# KiCad board rcbus-ymf262-panel.kicad_pcb (continued)
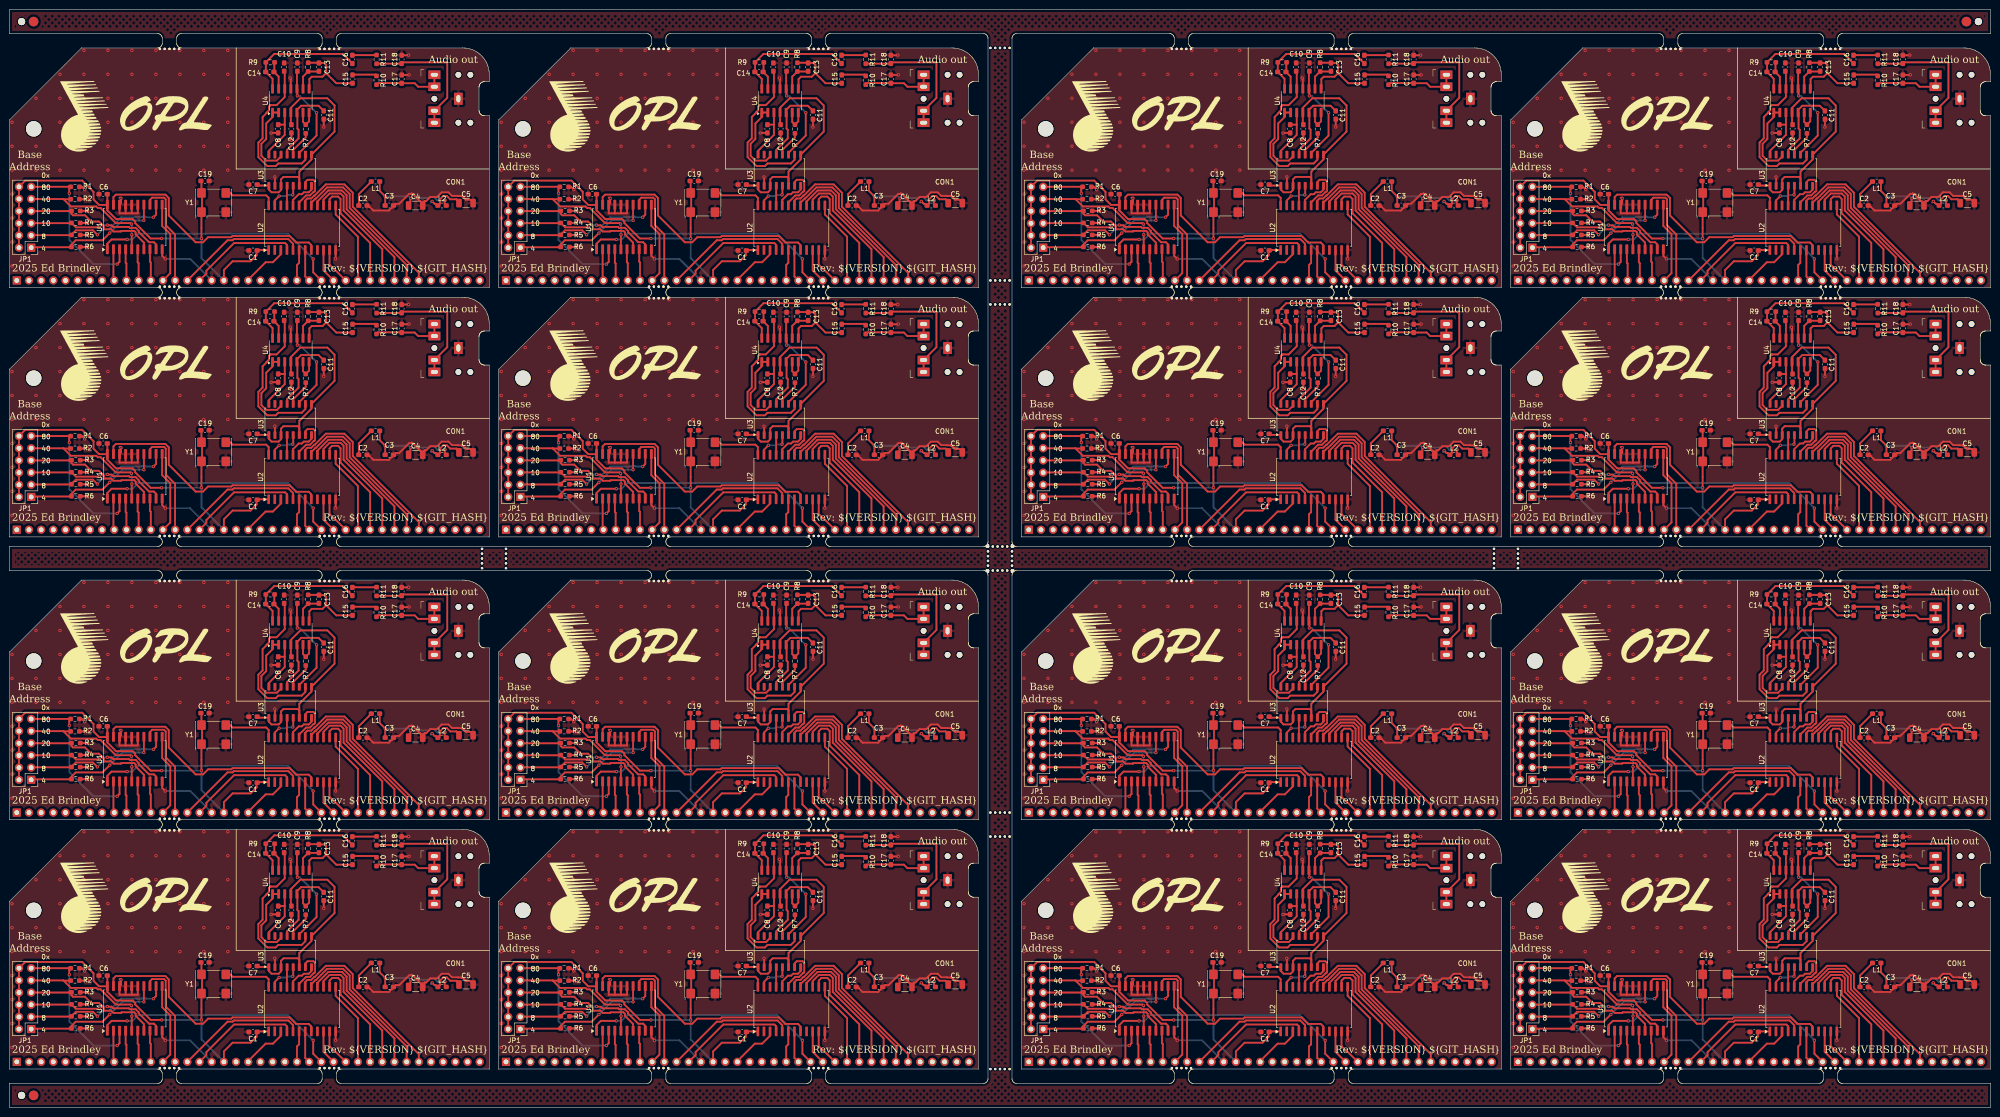
[diagram p0: board, top side]
## Nets (continued)
Board_7-unconnected-(P1-Pin_6-Pad6): P1#2.6
Board_7-unconnected-(P1-Pin_7-Pad7): P1#2.7
Board_7-unconnected-(P1-Pin_8-Pad8): P1#2.8
Board_7-unconnected-(P1-Pin_19-Pad19): P1#2.19
Board_7-unconnected-(P1-Pin_21-Pad21): P1#2.21
Board_7-unconnected-(P1-Pin_23-Pad23): P1#2.23
Board_7-unconnected-(P1-Pin_35-Pad35): P1#2.35
Board_7-unconnected-(P1-Pin_36-Pad36): P1#2.36
Board_7-unconnected-(P1-Pin_37-Pad37): P1#2.37
Board_7-unconnected-(P1-Pin_38-Pad38): P1#2.38
Board_7-unconnected-(P1-Pin_39-Pad39): P1#2.39
Board_7-unconnected-(U2-DOCD-Pad22): U2#6.22
Board_7-unconnected-(U2-TEST-Pad9): U2#6.9
Board_7-unconnected-(U2-~{IRQ}-Pad2): U2#6.2
Board_7-unconnected-(U3-TST2-Pad15): U3#10.15
Board_7-VCC: C1#11.1 C2#15.1 C6#15.1 C19.1 JP1#2.2 JP1#2.4 JP1#2.6 JP1#2.8 JP1#2.10 JP1#2.12 L1.2 P1#2.18 U1#12.20 U2#6.1 Y1#11.1 Y1#11.4
Board_8-+5VA: C5#13.1 C7#10.1 C12#4.1 L2#14.1 U3#14.1 U3#14.3 U3#14.6 U3#14.9 U4#2.4
Board_8-/A0: P1#10.16 U2#4.4
Board_8-/A1: P1#10.15 U2#4.5
Board_8-/A2: P1#10.14 U1#4.13
Board_8-/A3: P1#10.13 U1#4.11
Board_8-/A4: P1#10.12 U1#4.8
Board_8-/A5: P1#10.11 U1#4.6
Board_8-/A6: P1#10.10 U1#4.4
Board_8-/A7: P1#10.9 U1#4.2
Board_8-/AUDIO_CH1: C10#5.1 U3#14.10 U4#2.12
Board_8-/AUDIO_CH2: C9#13.1 U3#14.11 U4#2.10
Board_8-/CLK: U2#4.24 Y1#15.3
Board_8-/D0: P1#10.27 U2#4.10
Board_8-/D1: P1#10.28 U2#4.11
Board_8-/D2: P1#10.29 U2#4.13
Board_8-/D3: P1#10.30 U2#4.14
Board_8-/D4: P1#10.31 U2#4.15
Board_8-/D5: P1#10.32 U2#4.16
Board_8-/D6: P1#10.33 U2#4.17
Board_8-/D7: P1#10.34 U2#4.18
Board_8-/DAC_CLK: U2#4.23 U3#14.5
Board_8-/DOAB: U2#4.21 U3#14.4
Board_8-/L: C13#11.1 C15#12.1 R8#16.2 U4#2.8
Board_8-/R: C14#6.2 C16#5.1 R9#13.2 U4#2.14
Board_8-/SMPAC: U2#4.20 U3#14.8
Board_8-/SMPBD: U2#4.19 U3#14.7
Board_8-/~{CS}: U1#4.19 U2#4.8
Board_8-/~{INT}: P1#10.22
Board_8-/~{IORQ}: P1#10.26 U1#4.1
Board_8-/~{RD}: P1#10.25 U2#4.7
Board_8-/~{RESET}: P1#10.20 U2#4.3
Board_8-/~{WR}: P1#10.24 U2#4.6
Board_8-GND: C1#5.2 C2#9.2 C3#16.2 C4#2.2 C5#13.2 C6#7.2 C7#10.2 C8#8.2 C9#13.2 C10#5.2 C11#9.2 C12#4.2 C17#11.2 C18#4.2 C19#3.2 CON1#4.S P1#10.17 R1#3.2 R2#6.2 R3#11.2 R4#12.2 R5#15.2 R6#16.2 U1#4.10 U1#4.15 U1#4.16 U1#4.17 U1#4.18 U2#4.12 U3#14.2 U4#2.11 Y1#15.2
Board_8-Net-(C3-Pad1): C3#16.1 C4#2.1 L1#6.1 L2#14.2
Board_8-Net-(C15-Pad2): C15#12.2 R10#10.1
Board_8-Net-(C16-Pad2): C16#5.2 R11#16.1
Board_8-Net-(C17-Pad1): C17#11.1 CON1#4.T CON1#4.TN R10#10.2
Board_8-Net-(C18-Pad1): C18#4.1 CON1#4.R CON1#4.RN R11#16.2
Board_8-Net-(JP1-Pin_1): JP1.1 R6#16.1 U1#4.14
Board_8-Net-(JP1-Pin_3): JP1.3 R5#15.1 U1#4.12
Board_8-Net-(JP1-Pin_5): JP1.5 R4#12.1 U1#4.9
Board_8-Net-(JP1-Pin_7): JP1.7 R3#11.1 U1#4.7
Board_8-Net-(JP1-Pin_9): JP1.9 R2#6.1 U1#4.5
Board_8-Net-(JP1-Pin_11): JP1.11 R1#3.1 U1#4.3
Board_8-Net-(U3-AOUT): C11#9.1 U3#14.13 U4#2.5
Board_8-Net-(U3-CV): C8#8.1 U3#14.16 U4#2.3
Board_8-Net-(U3-MP): U3#14.14 U4#2.1 U4#2.2
Board_8-Net-(U3-SWIN): R7#2.1 U3#14.12
Board_8-Net-(U4B--): R7#2.2 U4#2.6 U4#2.7
Board_8-Net-(U4C--): C13#11.2 R8#16.1 U4#2.9
Board_8-Net-(U4D--): C14#6.1 R9#13.1 U4#2.13
Board_8-unconnected-(P1-Pin_1-Pad1): P1#10.1
Board_8-unconnected-(P1-Pin_2-Pad2): P1#10.2
Board_8-unconnected-(P1-Pin_3-Pad3): P1#10.3
Board_8-unconnected-(P1-Pin_4-Pad4): P1#10.4
Board_8-unconnected-(P1-Pin_5-Pad5): P1#10.5
Board_8-unconnected-(P1-Pin_6-Pad6): P1#10.6
Board_8-unconnected-(P1-Pin_7-Pad7): P1#10.7
Board_8-unconnected-(P1-Pin_8-Pad8): P1#10.8
Board_8-unconnected-(P1-Pin_19-Pad19): P1#10.19
Board_8-unconnected-(P1-Pin_21-Pad21): P1#10.21
Board_8-unconnected-(P1-Pin_23-Pad23): P1#10.23
Board_8-unconnected-(P1-Pin_35-Pad35): P1#10.35
Board_8-unconnected-(P1-Pin_36-Pad36): P1#10.36
Board_8-unconnected-(P1-Pin_37-Pad37): P1#10.37
Board_8-unconnected-(P1-Pin_38-Pad38): P1#10.38
Board_8-unconnected-(P1-Pin_39-Pad39): P1#10.39
Board_8-unconnected-(U2-DOCD-Pad22): U2#4.22
Board_8-unconnected-(U2-TEST-Pad9): U2#4.9
Board_8-unconnected-(U2-~{IRQ}-Pad2): U2#4.2
Board_8-unconnected-(U3-TST2-Pad15): U3#14.15
Board_8-VCC: C1#5.1 C2#9.1 C6#7.1 C19#3.1 JP1.2 JP1.4 JP1.6 JP1.8 JP1.10 JP1.12 L1#6.2 P1#10.18 U1#4.20 U2#4.1 Y1#15.1 Y1#15.4
Board_9-+5VA: C5#9.1 C7#9.1 C12#9.1 L2.1 U3#13.1 U3#13.3 U3#13.6 U3#13.9 U4#4.4
Board_9-/A0: P1#9.16 U2#8.4
Board_9-/A1: P1#9.15 U2#8.5
Board_9-/A2: P1#9.14 U1#15.13
Board_9-/A3: P1#9.13 U1#15.11
Board_9-/A4: P1#9.12 U1#15.8
Board_9-/A5: P1#9.11 U1#15.6
Board_9-/A6: P1#9.10 U1#15.4
Board_9-/A7: P1#9.9 U1#15.2
Board_9-/AUDIO_CH1: C10#9.1 U3#13.10 U4#4.12
Board_9-/AUDIO_CH2: C9#7.1 U3#13.11 U4#4.10
Board_9-/CLK: U2#8.24 Y1#5.3
Board_9-/D0: P1#9.27 U2#8.10
Board_9-/D1: P1#9.28 U2#8.11
Board_9-/D2: P1#9.29 U2#8.13
Board_9-/D3: P1#9.30 U2#8.14
Board_9-/D4: P1#9.31 U2#8.15
Board_9-/D5: P1#9.32 U2#8.16
Board_9-/D6: P1#9.33 U2#8.17
Board_9-/D7: P1#9.34 U2#8.18
Board_9-/DAC_CLK: U2#8.23 U3#13.5
Board_9-/DOAB: U2#8.21 U3#13.4
Board_9-/L: C13#8.1 C15#16.1 R8#9.2 U4#4.8
Board_9-/R: C14#3.2 C16#8.1 R9#11.2 U4#4.14
Board_9-/SMPAC: U2#8.20 U3#13.8
Board_9-/SMPBD: U2#8.19 U3#13.7
Board_9-/~{CS}: U1#15.19 U2#8.8
Board_9-/~{INT}: P1#9.22
Board_9-/~{IORQ}: P1#9.26 U1#15.1
Board_9-/~{RD}: P1#9.25 U2#8.7
Board_9-/~{RESET}: P1#9.20 U2#8.3
Board_9-/~{WR}: P1#9.24 U2#8.6
Board_9-GND: C1#10.2 C2#2.2 C3#12.2 C4#3.2 C5#9.2 C6#13.2 C7#9.2 C8#9.2 C9#7.2 C10#9.2 C11#14.2 C12#9.2 C17#12.2 C18#12.2 C19#11.2 CON1#2.S P1#9.17 R1#9.2 R2#11.2 R3#14.2 R4#9.2 R5#2.2 R6.2 U1#15.10 U1#15.15 U1#15.16 U1#15.17 U1#15.18 U2#8.12 U3#13.2 U4#4.11 Y1#5.2
Board_9-Net-(C3-Pad1): C3#12.1 C4#3.1 L1#7.1 L2.2
Board_9-Net-(C15-Pad2): C15#16.2 R10#12.1
Board_9-Net-(C16-Pad2): C16#8.2 R11#14.1
Board_9-Net-(C17-Pad1): C17#12.1 CON1#2.T CON1#2.TN R10#12.2
Board_9-Net-(C18-Pad1): C18#12.1 CON1#2.R CON1#2.RN R11#14.2
Board_9-Net-(JP1-Pin_1): JP1#6.1 R6.1 U1#15.14
Board_9-Net-(JP1-Pin_3): JP1#6.3 R5#2.1 U1#15.12
Board_9-Net-(JP1-Pin_5): JP1#6.5 R4#9.1 U1#15.9
Board_9-Net-(JP1-Pin_7): JP1#6.7 R3#14.1 U1#15.7
Board_9-Net-(JP1-Pin_9): JP1#6.9 R2#11.1 U1#15.5
Board_9-Net-(JP1-Pin_11): JP1#6.11 R1#9.1 U1#15.3
Board_9-Net-(U3-AOUT): C11#14.1 U3#13.13 U4#4.5
Board_9-Net-(U3-CV): C8#9.1 U3#13.16 U4#4.3
Board_9-Net-(U3-MP): U3#13.14 U4#4.1 U4#4.2
Board_9-Net-(U3-SWIN): R7#12.1 U3#13.12
Board_9-Net-(U4B--): R7#12.2 U4#4.6 U4#4.7
Board_9-Net-(U4C--): C13#8.2 R8#9.1 U4#4.9
Board_9-Net-(U4D--): C14#3.1 R9#11.1 U4#4.13
Board_9-unconnected-(P1-Pin_1-Pad1): P1#9.1
Board_9-unconnected-(P1-Pin_2-Pad2): P1#9.2
Board_9-unconnected-(P1-Pin_3-Pad3): P1#9.3
Board_9-unconnected-(P1-Pin_4-Pad4): P1#9.4
Board_9-unconnected-(P1-Pin_5-Pad5): P1#9.5
Board_9-unconnected-(P1-Pin_6-Pad6): P1#9.6
Board_9-unconnected-(P1-Pin_7-Pad7): P1#9.7
Board_9-unconnected-(P1-Pin_8-Pad8): P1#9.8
Board_9-unconnected-(P1-Pin_19-Pad19): P1#9.19
Board_9-unconnected-(P1-Pin_21-Pad21): P1#9.21
Board_9-unconnected-(P1-Pin_23-Pad23): P1#9.23
Board_9-unconnected-(P1-Pin_35-Pad35): P1#9.35
Board_9-unconnected-(P1-Pin_36-Pad36): P1#9.36
Board_9-unconnected-(P1-Pin_37-Pad37): P1#9.37
Board_9-unconnected-(P1-Pin_38-Pad38): P1#9.38
Board_9-unconnected-(P1-Pin_39-Pad39): P1#9.39
Board_9-unconnected-(U2-DOCD-Pad22): U2#8.22
Board_9-unconnected-(U2-TEST-Pad9): U2#8.9
Board_9-unconnected-(U2-~{IRQ}-Pad2): U2#8.2
Board_9-unconnected-(U3-TST2-Pad15): U3#13.15
Board_9-VCC: C1#10.1 C2#2.1 C6#13.1 C19#11.1 JP1#6.2 JP1#6.4 JP1#6.6 JP1#6.8 JP1#6.10 JP1#6.12 L1#7.2 P1#9.18 U1#15.20 U2#8.1 Y1#5.1 Y1#5.4
Board_10-+5VA: C5#4.1 C7#15.1 C12#13.1 L2#16.1 U3.1 U3.3 U3.6 U3.9 U4#3.4
Board_10-/A0: P1#14.16 U2#13.4
Board_10-/A1: P1#14.15 U2#13.5
Board_10-/A2: P1#14.14 U1#9.13
Board_10-/A3: P1#14.13 U1#9.11
Board_10-/A4: P1#14.12 U1#9.8
Board_10-/A5: P1#14.11 U1#9.6
Board_10-/A6: P1#14.10 U1#9.4
Board_10-/A7: P1#14.9 U1#9.2
Board_10-/AUDIO_CH1: C10.1 U3.10 U4#3.12
Board_10-/AUDIO_CH2: C9.1 U3.11 U4#3.10
Board_10-/CLK: U2#13.24 Y1#16.3
Board_10-/D0: P1#14.27 U2#13.10
Board_10-/D1: P1#14.28 U2#13.11
Board_10-/D2: P1#14.29 U2#13.13
Board_10-/D3: P1#14.30 U2#13.14
Board_10-/D4: P1#14.31 U2#13.15
Board_10-/D5: P1#14.32 U2#13.16
Board_10-/D6: P1#14.33 U2#13.17
Board_10-/D7: P1#14.34 U2#13.18
Board_10-/DAC_CLK: U2#13.23 U3.5
Board_10-/DOAB: U2#13.21 U3.4
Board_10-/L: C13#6.1 C15#5.1 R8#12.2 U4#3.8
Board_10-/R: C14#7.2 C16#3.1 R9#6.2 U4#3.14
Board_10-/SMPAC: U2#13.20 U3.8
Board_10-/SMPBD: U2#13.19 U3.7
Board_10-/~{CS}: U1#9.19 U2#13.8
Board_10-/~{INT}: P1#14.22
Board_10-/~{IORQ}: P1#14.26 U1#9.1
Board_10-/~{RD}: P1#14.25 U2#13.7
Board_10-/~{RESET}: P1#14.20 U2#13.3
Board_10-/~{WR}: P1#14.24 U2#13.6
Board_10-GND: C1#14.2 C2.2 C3#6.2 C4#12.2 C5#4.2 C6#3.2 C7#15.2 C8#16.2 C9.2 C10.2 C11#3.2 C12#13.2 C17#10.2 C18#14.2 C19#14.2 CON1#7.S P1#14.17 R1#14.2 R2.2 R3#16.2 R4#6.2 R5#13.2 R6#14.2 U1#9.10 U1#9.15 U1#9.16 U1#9.17 U1#9.18 U2#13.12 U3.2 U4#3.11 Y1#16.2
Board_10-Net-(C3-Pad1): C3#6.1 C4#12.1 L1#16.1 L2#16.2
Board_10-Net-(C15-Pad2): C15#5.2 R10#9.1
Board_10-Net-(C16-Pad2): C16#3.2 R11#12.1
Board_10-Net-(C17-Pad1): C17#10.1 CON1#7.T CON1#7.TN R10#9.2
Board_10-Net-(C18-Pad1): C18#14.1 CON1#7.R CON1#7.RN R11#12.2
Board_10-Net-(JP1-Pin_1): JP1#8.1 R6#14.1 U1#9.14
Board_10-Net-(JP1-Pin_3): JP1#8.3 R5#13.1 U1#9.12
Board_10-Net-(JP1-Pin_5): JP1#8.5 R4#6.1 U1#9.9
Board_10-Net-(JP1-Pin_7): JP1#8.7 R3#16.1 U1#9.7
Board_10-Net-(JP1-Pin_9): JP1#8.9 R2.1 U1#9.5
Board_10-Net-(JP1-Pin_11): JP1#8.11 R1#14.1 U1#9.3
Board_10-Net-(U3-AOUT): C11#3.1 U3.13 U4#3.5
Board_10-Net-(U3-CV): C8#16.1 U3.16 U4#3.3
Board_10-Net-(U3-MP): U3.14 U4#3.1 U4#3.2
Board_10-Net-(U3-SWIN): R7.1 U3.12
Board_10-Net-(U4B--): R7.2 U4#3.6 U4#3.7
Board_10-Net-(U4C--): C13#6.2 R8#12.1 U4#3.9
Board_10-Net-(U4D--): C14#7.1 R9#6.1 U4#3.13
Board_10-unconnected-(P1-Pin_1-Pad1): P1#14.1
Board_10-unconnected-(P1-Pin_2-Pad2): P1#14.2
Board_10-unconnected-(P1-Pin_3-Pad3): P1#14.3
Board_10-unconnected-(P1-Pin_4-Pad4): P1#14.4
Board_10-unconnected-(P1-Pin_5-Pad5): P1#14.5
Board_10-unconnected-(P1-Pin_6-Pad6): P1#14.6
Board_10-unconnected-(P1-Pin_7-Pad7): P1#14.7
Board_10-unconnected-(P1-Pin_8-Pad8): P1#14.8
Board_10-unconnected-(P1-Pin_19-Pad19): P1#14.19
Board_10-unconnected-(P1-Pin_21-Pad21): P1#14.21
Board_10-unconnected-(P1-Pin_23-Pad23): P1#14.23
Board_10-unconnected-(P1-Pin_35-Pad35): P1#14.35
Board_10-unconnected-(P1-Pin_36-Pad36): P1#14.36
Board_10-unconnected-(P1-Pin_37-Pad37): P1#14.37
Board_10-unconnected-(P1-Pin_38-Pad38): P1#14.38
Board_10-unconnected-(P1-Pin_39-Pad39): P1#14.39
Board_10-unconnected-(U2-DOCD-Pad22): U2#13.22
Board_10-unconnected-(U2-TEST-Pad9): U2#13.9
Board_10-unconnected-(U2-~{IRQ}-Pad2): U2#13.2
Board_10-unconnected-(U3-TST2-Pad15): U3.15
Board_10-VCC: C1#14.1 C2.1 C6#3.1 C19#14.1 JP1#8.2 JP1#8.4 JP1#8.6 JP1#8.8 JP1#8.10 JP1#8.12 L1#16.2 P1#14.18 U1#9.20 U2#13.1 Y1#16.1 Y1#16.4
Board_11-+5VA: C5#16.1 C7#4.1 C12#7.1 L2#9.1 U3#11.1 U3#11.3 U3#11.6 U3#11.9 U4#7.4
Board_11-/A0: P1#11.16 U2#3.4
Board_11-/A1: P1#11.15 U2#3.5
Board_11-/A2: P1#11.14 U1#16.13
Board_11-/A3: P1#11.13 U1#16.11
Board_11-/A4: P1#11.12 U1#16.8
Board_11-/A5: P1#11.11 U1#16.6
Board_11-/A6: P1#11.10 U1#16.4
Board_11-/A7: P1#11.9 U1#16.2
Board_11-/AUDIO_CH1: C10#2.1 U3#11.10 U4#7.12
Board_11-/AUDIO_CH2: C9#2.1 U3#11.11 U4#7.10
Board_11-/CLK: U2#3.24 Y1#4.3
Board_11-/D0: P1#11.27 U2#3.10
Board_11-/D1: P1#11.28 U2#3.11
Board_11-/D2: P1#11.29 U2#3.13
Board_11-/D3: P1#11.30 U2#3.14
Board_11-/D4: P1#11.31 U2#3.15
Board_11-/D5: P1#11.32 U2#3.16
Board_11-/D6: P1#11.33 U2#3.17
Board_11-/D7: P1#11.34 U2#3.18
Board_11-/DAC_CLK: U2#3.23 U3#11.5
Board_11-/DOAB: U2#3.21 U3#11.4
Board_11-/L: C13#5.1 C15#10.1 R8#3.2 U4#7.8
Board_11-/R: C14#5.2 C16#6.1 R9#15.2 U4#7.14
Board_11-/SMPAC: U2#3.20 U3#11.8
Board_11-/SMPBD: U2#3.19 U3#11.7
Board_11-/~{CS}: U1#16.19 U2#3.8
Board_11-/~{INT}: P1#11.22
Board_11-/~{IORQ}: P1#11.26 U1#16.1
Board_11-/~{RD}: P1#11.25 U2#3.7
Board_11-/~{RESET}: P1#11.20 U2#3.3
Board_11-/~{WR}: P1#11.24 U2#3.6
Board_11-GND: C1#3.2 C2#12.2 C3#8.2 C4#14.2 C5#16.2 C6#10.2 C7#4.2 C8#3.2 C9#2.2 C10#2.2 C11#16.2 C12#7.2 C17#16.2 C18#7.2 C19#15.2 CON1#13.S P1#11.17 R1#2.2 R2#5.2 R3#7.2 R4#15.2 R5#8.2 R6#11.2 U1#16.10 U1#16.15 U1#16.16 U1#16.17 U1#16.18 U2#3.12 U3#11.2 U4#7.11 Y1#4.2
Board_11-Net-(C3-Pad1): C3#8.1 C4#14.1 L1#4.1 L2#9.2
Board_11-Net-(C15-Pad2): C15#10.2 R10#15.1
Board_11-Net-(C16-Pad2): C16#6.2 R11#8.1
Board_11-Net-(C17-Pad1): C17#16.1 CON1#13.T CON1#13.TN R10#15.2
Board_11-Net-(C18-Pad1): C18#7.1 CON1#13.R CON1#13.RN R11#8.2
Board_11-Net-(JP1-Pin_1): JP1#14.1 R6#11.1 U1#16.14
Board_11-Net-(JP1-Pin_3): JP1#14.3 R5#8.1 U1#16.12
Board_11-Net-(JP1-Pin_5): JP1#14.5 R4#15.1 U1#16.9
Board_11-Net-(JP1-Pin_7): JP1#14.7 R3#7.1 U1#16.7
Board_11-Net-(JP1-Pin_9): JP1#14.9 R2#5.1 U1#16.5
Board_11-Net-(JP1-Pin_11): JP1#14.11 R1#2.1 U1#16.3
Board_11-Net-(U3-AOUT): C11#16.1 U3#11.13 U4#7.5
Board_11-Net-(U3-CV): C8#3.1 U3#11.16 U4#7.3
Board_11-Net-(U3-MP): U3#11.14 U4#7.1 U4#7.2
Board_11-Net-(U3-SWIN): R7#11.1 U3#11.12
Board_11-Net-(U4B--): R7#11.2 U4#7.6 U4#7.7
Board_11-Net-(U4C--): C13#5.2 R8#3.1 U4#7.9
Board_11-Net-(U4D--): C14#5.1 R9#15.1 U4#7.13
Board_11-unconnected-(P1-Pin_1-Pad1): P1#11.1
Board_11-unconnected-(P1-Pin_2-Pad2): P1#11.2
Board_11-unconnected-(P1-Pin_3-Pad3): P1#11.3
Board_11-unconnected-(P1-Pin_4-Pad4): P1#11.4
Board_11-unconnected-(P1-Pin_5-Pad5): P1#11.5
Board_11-unconnected-(P1-Pin_6-Pad6): P1#11.6
Board_11-unconnected-(P1-Pin_7-Pad7): P1#11.7
Board_11-unconnected-(P1-Pin_8-Pad8): P1#11.8
Board_11-unconnected-(P1-Pin_19-Pad19): P1#11.19
Board_11-unconnected-(P1-Pin_21-Pad21): P1#11.21
Board_11-unconnected-(P1-Pin_23-Pad23): P1#11.23
Board_11-unconnected-(P1-Pin_35-Pad35): P1#11.35
Board_11-unconnected-(P1-Pin_36-Pad36): P1#11.36
Board_11-unconnected-(P1-Pin_37-Pad37): P1#11.37
Board_11-unconnected-(P1-Pin_38-Pad38): P1#11.38
Board_11-unconnected-(P1-Pin_39-Pad39): P1#11.39
Board_11-unconnected-(U2-DOCD-Pad22): U2#3.22
Board_11-unconnected-(U2-TEST-Pad9): U2#3.9
Board_11-unconnected-(U2-~{IRQ}-Pad2): U2#3.2
Board_11-unconnected-(U3-TST2-Pad15): U3#11.15
Board_11-VCC: C1#3.1 C2#12.1 C6#10.1 C19#15.1 JP1#14.2 JP1#14.4 JP1#14.6 JP1#14.8 JP1#14.10 JP1#14.12 L1#4.2 P1#11.18 U1#16.20 U2#3.1 Y1#4.1 Y1#4.4
Board_12-+5VA: C5#10.1 C7#2.1 C12#6.1 L2#13.1 U3#9.1 U3#9.3 U3#9.6 U3#9.9 U4#16.4
Board_12-/A0: P1#15.16 U2#10.4
Board_12-/A1: P1#15.15 U2#10.5
Board_12-/A2: P1#15.14 U1#8.13
Board_12-/A3: P1#15.13 U1#8.11
Board_12-/A4: P1#15.12 U1#8.8
Board_12-/A5: P1#15.11 U1#8.6
Board_12-/A6: P1#15.10 U1#8.4
Board_12-/A7: P1#15.9 U1#8.2
Board_12-/AUDIO_CH1: C10#4.1 U3#9.10 U4#16.12
Board_12-/AUDIO_CH2: C9#4.1 U3#9.11 U4#16.10
Board_12-/CLK: U2#10.24 Y1#10.3
Board_12-/D0: P1#15.27 U2#10.10
Board_12-/D1: P1#15.28 U2#10.11
Board_12-/D2: P1#15.29 U2#10.13
Board_12-/D3: P1#15.30 U2#10.14
Board_12-/D4: P1#15.31 U2#10.15
Board_12-/D5: P1#15.32 U2#10.16
Board_12-/D6: P1#15.33 U2#10.17
Board_12-/D7: P1#15.34 U2#10.18
Board_12-/DAC_CLK: U2#10.23 U3#9.5
Board_12-/DOAB: U2#10.21 U3#9.4
Board_12-/L: C13#16.1 C15#15.1 R8#11.2 U4#16.8
Board_12-/R: C14#10.2 C16#12.1 R9#5.2 U4#16.14
Board_12-/SMPAC: U2#10.20 U3#9.8
Board_12-/SMPBD: U2#10.19 U3#9.7
Board_12-/~{CS}: U1#8.19 U2#10.8
Board_12-/~{INT}: P1#15.22
Board_12-/~{IORQ}: P1#15.26 U1#8.1
Board_12-/~{RD}: P1#15.25 U2#10.7
Board_12-/~{RESET}: P1#15.20 U2#10.3
Board_12-/~{WR}: P1#15.24 U2#10.6
Board_12-GND: C1#12.2 C2#14.2 C3.2 C4#10.2 C5#10.2 C6#9.2 C7#2.2 C8#4.2 C9#4.2 C10#4.2 C11#5.2 C12#6.2 C17#4.2 C18#5.2 C19#4.2 CON1#10.S P1#15.17 R1#7.2 R2#16.2 R3#3.2 R4#13.2 R5#12.2 R6#7.2 U1#8.10 U1#8.15 U1#8.16 U1#8.17 U1#8.18 U2#10.12 U3#9.2 U4#16.11 Y1#10.2
Board_12-Net-(C3-Pad1): C3.1 C4#10.1 L1#11.1 L2#13.2
Board_12-Net-(C15-Pad2): C15#15.2 R10#8.1
Board_12-Net-(C16-Pad2): C16#12.2 R11.1
Board_12-Net-(C17-Pad1): C17#4.1 CON1#10.T CON1#10.TN R10#8.2
Board_12-Net-(C18-Pad1): C18#5.1 CON1#10.R CON1#10.RN R11.2
Board_12-Net-(JP1-Pin_1): JP1#3.1 R6#7.1 U1#8.14
Board_12-Net-(JP1-Pin_3): JP1#3.3 R5#12.1 U1#8.12
Board_12-Net-(JP1-Pin_5): JP1#3.5 R4#13.1 U1#8.9
Board_12-Net-(JP1-Pin_7): JP1#3.7 R3#3.1 U1#8.7
Board_12-Net-(JP1-Pin_9): JP1#3.9 R2#16.1 U1#8.5
Board_12-Net-(JP1-Pin_11): JP1#3.11 R1#7.1 U1#8.3
Board_12-Net-(U3-AOUT): C11#5.1 U3#9.13 U4#16.5
Board_12-Net-(U3-CV): C8#4.1 U3#9.16 U4#16.3
Board_12-Net-(U3-MP): U3#9.14 U4#16.1 U4#16.2
Board_12-Net-(U3-SWIN): R7#3.1 U3#9.12
Board_12-Net-(U4B--): R7#3.2 U4#16.6 U4#16.7
Board_12-Net-(U4C--): C13#16.2 R8#11.1 U4#16.9
Board_12-Net-(U4D--): C14#10.1 R9#5.1 U4#16.13
Board_12-unconnected-(P1-Pin_1-Pad1): P1#15.1
Board_12-unconnected-(P1-Pin_2-Pad2): P1#15.2
Board_12-unconnected-(P1-Pin_3-Pad3): P1#15.3
Board_12-unconnected-(P1-Pin_4-Pad4): P1#15.4
Board_12-unconnected-(P1-Pin_5-Pad5): P1#15.5
Board_12-unconnected-(P1-Pin_6-Pad6): P1#15.6
Board_12-unconnected-(P1-Pin_7-Pad7): P1#15.7
Board_12-unconnected-(P1-Pin_8-Pad8): P1#15.8
Board_12-unconnected-(P1-Pin_19-Pad19): P1#15.19
Board_12-unconnected-(P1-Pin_21-Pad21): P1#15.21
Board_12-unconnected-(P1-Pin_23-Pad23): P1#15.23
Board_12-unconnected-(P1-Pin_35-Pad35): P1#15.35
Board_12-unconnected-(P1-Pin_36-Pad36): P1#15.36
Board_12-unconnected-(P1-Pin_37-Pad37): P1#15.37
Board_12-unconnected-(P1-Pin_38-Pad38): P1#15.38
Board_12-unconnected-(P1-Pin_39-Pad39): P1#15.39
Board_12-unconnected-(U2-DOCD-Pad22): U2#10.22
Board_12-unconnected-(U2-TEST-Pad9): U2#10.9
Board_12-unconnected-(U2-~{IRQ}-Pad2): U2#10.2
Board_12-unconnected-(U3-TST2-Pad15): U3#9.15
Board_12-VCC: C1#12.1 C2#14.1 C6#9.1 C19#4.1 JP1#3.2 JP1#3.4 JP1#3.6 JP1#3.8 JP1#3.10 JP1#3.12 L1#11.2 P1#15.18 U1#8.20 U2#10.1 Y1#10.1 Y1#10.4
Board_13-+5VA: C5#11.1 C7#8.1 C12#15.1 L2#2.1 U3#8.1 U3#8.3 U3#8.6 U3#8.9 U4#8.4
Board_13-/A0: P1#8.16 U2#2.4
Board_13-/A1: P1#8.15 U2#2.5
Board_13-/A2: P1#8.14 U1#11.13
Board_13-/A3: P1#8.13 U1#11.11
Board_13-/A4: P1#8.12 U1#11.8
Board_13-/A5: P1#8.11 U1#11.6
Board_13-/A6: P1#8.10 U1#11.4
Board_13-/A7: P1#8.9 U1#11.2
Board_13-/AUDIO_CH1: C10#13.1 U3#8.10 U4#8.12
Board_13-/AUDIO_CH2: C9#10.1 U3#8.11 U4#8.10
Board_13-/CLK: U2#2.24 Y1#8.3
Board_13-/D0: P1#8.27 U2#2.10
Board_13-/D1: P1#8.28 U2#2.11
Board_13-/D2: P1#8.29 U2#2.13
Board_13-/D3: P1#8.30 U2#2.14
Board_13-/D4: P1#8.31 U2#2.15
Board_13-/D5: P1#8.32 U2#2.16
Board_13-/D6: P1#8.33 U2#2.17
Board_13-/D7: P1#8.34 U2#2.18
Board_13-/DAC_CLK: U2#2.23 U3#8.5
Board_13-/DOAB: U2#2.21 U3#8.4
Board_13-/L: C13#15.1 C15#4.1 R8#6.2 U4#8.8
Board_13-/R: C14#16.2 C16#2.1 R9#9.2 U4#8.14
Board_13-/SMPAC: U2#2.20 U3#8.8
Board_13-/SMPBD: U2#2.19 U3#8.7
Board_13-/~{CS}: U1#11.19 U2#2.8
Board_13-/~{INT}: P1#8.22
Board_13-/~{IORQ}: P1#8.26 U1#11.1
Board_13-/~{RD}: P1#8.25 U2#2.7
Board_13-/~{RESET}: P1#8.20 U2#2.3
Board_13-/~{WR}: P1#8.24 U2#2.6
Board_13-GND: C1#8.2 C2#11.2 C3#4.2 C4#13.2 C5#11.2 C6#12.2 C7#8.2 C8#13.2 C9#10.2 C10#13.2 C11#11.2 C12#15.2 C17#3.2 C18#16.2 C19#5.2 CON1#9.S P1#8.17 R1#10.2 R2#12.2 R3#9.2 R4#11.2 R5#7.2 R6#15.2 U1#11.10 U1#11.15 U1#11.16 U1#11.17 U1#11.18 U2#2.12 U3#8.2 U4#8.11 Y1#8.2
Board_13-Net-(C3-Pad1): C3#4.1 C4#13.1 L1#13.1 L2#2.2
Board_13-Net-(C15-Pad2): C15#4.2 R10#7.1
Board_13-Net-(C16-Pad2): C16#2.2 R11#15.1
Board_13-Net-(C17-Pad1): C17#3.1 CON1#9.T CON1#9.TN R10#7.2
Board_13-Net-(C18-Pad1): C18#16.1 CON1#9.R CON1#9.RN R11#15.2
Board_13-Net-(JP1-Pin_1): JP1#12.1 R6#15.1 U1#11.14
Board_13-Net-(JP1-Pin_3): JP1#12.3 R5#7.1 U1#11.12
Board_13-Net-(JP1-Pin_5): JP1#12.5 R4#11.1 U1#11.9
Board_13-Net-(JP1-Pin_7): JP1#12.7 R3#9.1 U1#11.7
Board_13-Net-(JP1-Pin_9): JP1#12.9 R2#12.1 U1#11.5
Board_13-Net-(JP1-Pin_11): JP1#12.11 R1#10.1 U1#11.3
Board_13-Net-(U3-AOUT): C11#11.1 U3#8.13 U4#8.5
Board_13-Net-(U3-CV): C8#13.1 U3#8.16 U4#8.3
Board_13-Net-(U3-MP): U3#8.14 U4#8.1 U4#8.2
Board_13-Net-(U3-SWIN): R7#10.1 U3#8.12
Board_13-Net-(U4B--): R7#10.2 U4#8.6 U4#8.7
Board_13-Net-(U4C--): C13#15.2 R8#6.1 U4#8.9
Board_13-Net-(U4D--): C14#16.1 R9#9.1 U4#8.13
Board_13-unconnected-(P1-Pin_1-Pad1): P1#8.1
Board_13-unconnected-(P1-Pin_2-Pad2): P1#8.2
Board_13-unconnected-(P1-Pin_3-Pad3): P1#8.3
Board_13-unconnected-(P1-Pin_4-Pad4): P1#8.4
Board_13-unconnected-(P1-Pin_5-Pad5): P1#8.5
Board_13-unconnected-(P1-Pin_6-Pad6): P1#8.6
Board_13-unconnected-(P1-Pin_7-Pad7): P1#8.7
Board_13-unconnected-(P1-Pin_8-Pad8): P1#8.8
Board_13-unconnected-(P1-Pin_19-Pad19): P1#8.19
Board_13-unconnected-(P1-Pin_21-Pad21): P1#8.21
Board_13-unconnected-(P1-Pin_23-Pad23): P1#8.23
Board_13-unconnected-(P1-Pin_35-Pad35): P1#8.35
Board_13-unconnected-(P1-Pin_36-Pad36): P1#8.36
Board_13-unconnected-(P1-Pin_37-Pad37): P1#8.37
Board_13-unconnected-(P1-Pin_38-Pad38): P1#8.38
Board_13-unconnected-(P1-Pin_39-Pad39): P1#8.39
Board_13-unconnected-(U2-DOCD-Pad22): U2#2.22
Board_13-unconnected-(U2-TEST-Pad9): U2#2.9
Board_13-unconnected-(U2-~{IRQ}-Pad2): U2#2.2
Board_13-unconnected-(U3-TST2-Pad15): U3#8.15
Board_13-VCC: C1#8.1 C2#11.1 C6#12.1 C19#5.1 JP1#12.2 JP1#12.4 JP1#12.6 JP1#12.8 JP1#12.10 JP1#12.12 L1#13.2 P1#8.18 U1#11.20 U2#2.1 Y1#8.1 Y1#8.4
Board_14-+5VA: C5#14.1 C7#11.1 C12#10.1 L2#7.1 U3#16.1 U3#16.3 U3#16.6 U3#16.9 U4#13.4
Board_14-/A0: P1#6.16 U2#9.4
Board_14-/A1: P1#6.15 U2#9.5
Board_14-/A2: P1#6.14 U1.13
Board_14-/A3: P1#6.13 U1.11
Board_14-/A4: P1#6.12 U1.8
Board_14-/A5: P1#6.11 U1.6
Board_14-/A6: P1#6.10 U1.4
Board_14-/A7: P1#6.9 U1.2
Board_14-/AUDIO_CH1: C10#16.1 U3#16.10 U4#13.12
Board_14-/AUDIO_CH2: C9#11.1 U3#16.11 U4#13.10
Board_14-/CLK: U2#9.24 Y1#12.3
Board_14-/D0: P1#6.27 U2#9.10
Board_14-/D1: P1#6.28 U2#9.11
Board_14-/D2: P1#6.29 U2#9.13
Board_14-/D3: P1#6.30 U2#9.14
Board_14-/D4: P1#6.31 U2#9.15
Board_14-/D5: P1#6.32 U2#9.16
Board_14-/D6: P1#6.33 U2#9.17
Board_14-/D7: P1#6.34 U2#9.18
Board_14-/DAC_CLK: U2#9.23 U3#16.5
Board_14-/DOAB: U2#9.21 U3#16.4
Board_14-/L: C13#10.1 C15#3.1 R8.2 U4#13.8
Board_14-/R: C14#15.2 C16#9.1 R9#7.2 U4#13.14
Board_14-/SMPAC: U2#9.20 U3#16.8
Board_14-/SMPBD: U2#9.19 U3#16.7
Board_14-/~{CS}: U1.19 U2#9.8
Board_14-/~{INT}: P1#6.22
Board_14-/~{IORQ}: P1#6.26 U1.1
Board_14-/~{RD}: P1#6.25 U2#9.7
Board_14-/~{RESET}: P1#6.20 U2#9.3
Board_14-/~{WR}: P1#6.24 U2#9.6
Board_14-GND: C1#9.2 C2#16.2 C3#14.2 C4#16.2 C5#14.2 C6#4.2 C7#11.2 C8#7.2 C9#11.2 C10#16.2 C11#2.2 C12#10.2 C17#2.2 C18#15.2 C19#8.2 CON1#8.S P1#6.17 R1#8.2 R2#3.2 R3#8.2 R4#3.2 R5#10.2 R6#8.2 U1.10 U1.15 U1.16 U1.17 U1.18 U2#9.12 U3#16.2 U4#13.11 Y1#12.2
Board_14-Net-(C3-Pad1): C3#14.1 C4#16.1 L1#12.1 L2#7.2
Board_14-Net-(C15-Pad2): C15#3.2 R10#6.1
Board_14-Net-(C16-Pad2): C16#9.2 R11#10.1
Board_14-Net-(C17-Pad1): C17#2.1 CON1#8.T CON1#8.TN R10#6.2
Board_14-Net-(C18-Pad1): C18#15.1 CON1#8.R CON1#8.RN R11#10.2
Board_14-Net-(JP1-Pin_1): JP1#16.1 R6#8.1 U1.14
Board_14-Net-(JP1-Pin_3): JP1#16.3 R5#10.1 U1.12
Board_14-Net-(JP1-Pin_5): JP1#16.5 R4#3.1 U1.9
Board_14-Net-(JP1-Pin_7): JP1#16.7 R3#8.1 U1.7
Board_14-Net-(JP1-Pin_9): JP1#16.9 R2#3.1 U1.5
Board_14-Net-(JP1-Pin_11): JP1#16.11 R1#8.1 U1.3
Board_14-Net-(U3-AOUT): C11#2.1 U3#16.13 U4#13.5
Board_14-Net-(U3-CV): C8#7.1 U3#16.16 U4#13.3
Board_14-Net-(U3-MP): U3#16.14 U4#13.1 U4#13.2
Board_14-Net-(U3-SWIN): R7#16.1 U3#16.12
Board_14-Net-(U4B--): R7#16.2 U4#13.6 U4#13.7
Board_14-Net-(U4C--): C13#10.2 R8.1 U4#13.9
Board_14-Net-(U4D--): C14#15.1 R9#7.1 U4#13.13
Board_14-unconnected-(P1-Pin_1-Pad1): P1#6.1
Board_14-unconnected-(P1-Pin_2-Pad2): P1#6.2
Board_14-unconnected-(P1-Pin_3-Pad3): P1#6.3
Board_14-unconnected-(P1-Pin_4-Pad4): P1#6.4
Board_14-unconnected-(P1-Pin_5-Pad5): P1#6.5
Board_14-unconnected-(P1-Pin_6-Pad6): P1#6.6
Board_14-unconnected-(P1-Pin_7-Pad7): P1#6.7
Board_14-unconnected-(P1-Pin_8-Pad8): P1#6.8
Board_14-unconnected-(P1-Pin_19-Pad19): P1#6.19
Board_14-unconnected-(P1-Pin_21-Pad21): P1#6.21
Board_14-unconnected-(P1-Pin_23-Pad23): P1#6.23
Board_14-unconnected-(P1-Pin_35-Pad35): P1#6.35
Board_14-unconnected-(P1-Pin_36-Pad36): P1#6.36
Board_14-unconnected-(P1-Pin_37-Pad37): P1#6.37
Board_14-unconnected-(P1-Pin_38-Pad38): P1#6.38
Board_14-unconnected-(P1-Pin_39-Pad39): P1#6.39
Board_14-unconnected-(U2-DOCD-Pad22): U2#9.22
Board_14-unconnected-(U2-TEST-Pad9): U2#9.9
Board_14-unconnected-(U2-~{IRQ}-Pad2): U2#9.2
Board_14-unconnected-(U3-TST2-Pad15): U3#16.15
Board_14-VCC: C1#9.1 C2#16.1 C6#4.1 C19#8.1 JP1#16.2 JP1#16.4 JP1#16.6 JP1#16.8 JP1#16.10 JP1#16.12 L1#12.2 P1#6.18 U1.20 U2#9.1 Y1#12.1 Y1#12.4
Board_15-+5VA: C5#7.1 C7#7.1 C12#5.1 L2#12.1 U3#2.1 U3#2.3 U3#2.6 U3#2.9 U4#10.4
Board_15-/A0: P1#3.16 U2#12.4
Board_15-/A1: P1#3.15 U2#12.5
Board_15-/A2: P1#3.14 U1#6.13
Board_15-/A3: P1#3.13 U1#6.11
Board_15-/A4: P1#3.12 U1#6.8
Board_15-/A5: P1#3.11 U1#6.6
Board_15-/A6: P1#3.10 U1#6.4
Board_15-/A7: P1#3.9 U1#6.2
Board_15-/AUDIO_CH1: C10#10.1 U3#2.10 U4#10.12
Board_15-/AUDIO_CH2: C9#16.1 U3#2.11 U4#10.10
Board_15-/CLK: U2#12.24 Y1.3
Board_15-/D0: P1#3.27 U2#12.10
Board_15-/D1: P1#3.28 U2#12.11
Board_15-/D2: P1#3.29 U2#12.13
Board_15-/D3: P1#3.30 U2#12.14
Board_15-/D4: P1#3.31 U2#12.15
Board_15-/D5: P1#3.32 U2#12.16
Board_15-/D6: P1#3.33 U2#12.17
Board_15-/D7: P1#3.34 U2#12.18
Board_15-/DAC_CLK: U2#12.23 U3#2.5
Board_15-/DOAB: U2#12.21 U3#2.4
Board_15-/L: C13#2.1 C15#11.1 R8#10.2 U4#10.8
Board_15-/R: C14#14.2 C16#14.1 R9#8.2 U4#10.14
Board_15-/SMPAC: U2#12.20 U3#2.8
Board_15-/SMPBD: U2#12.19 U3#2.7
Board_15-/~{CS}: U1#6.19 U2#12.8
Board_15-/~{INT}: P1#3.22
Board_15-/~{IORQ}: P1#3.26 U1#6.1
Board_15-/~{RD}: P1#3.25 U2#12.7
Board_15-/~{RESET}: P1#3.20 U2#12.3